# Altium PCB CM4-Tower.PcbDoc (part 4 of 10) (continued)
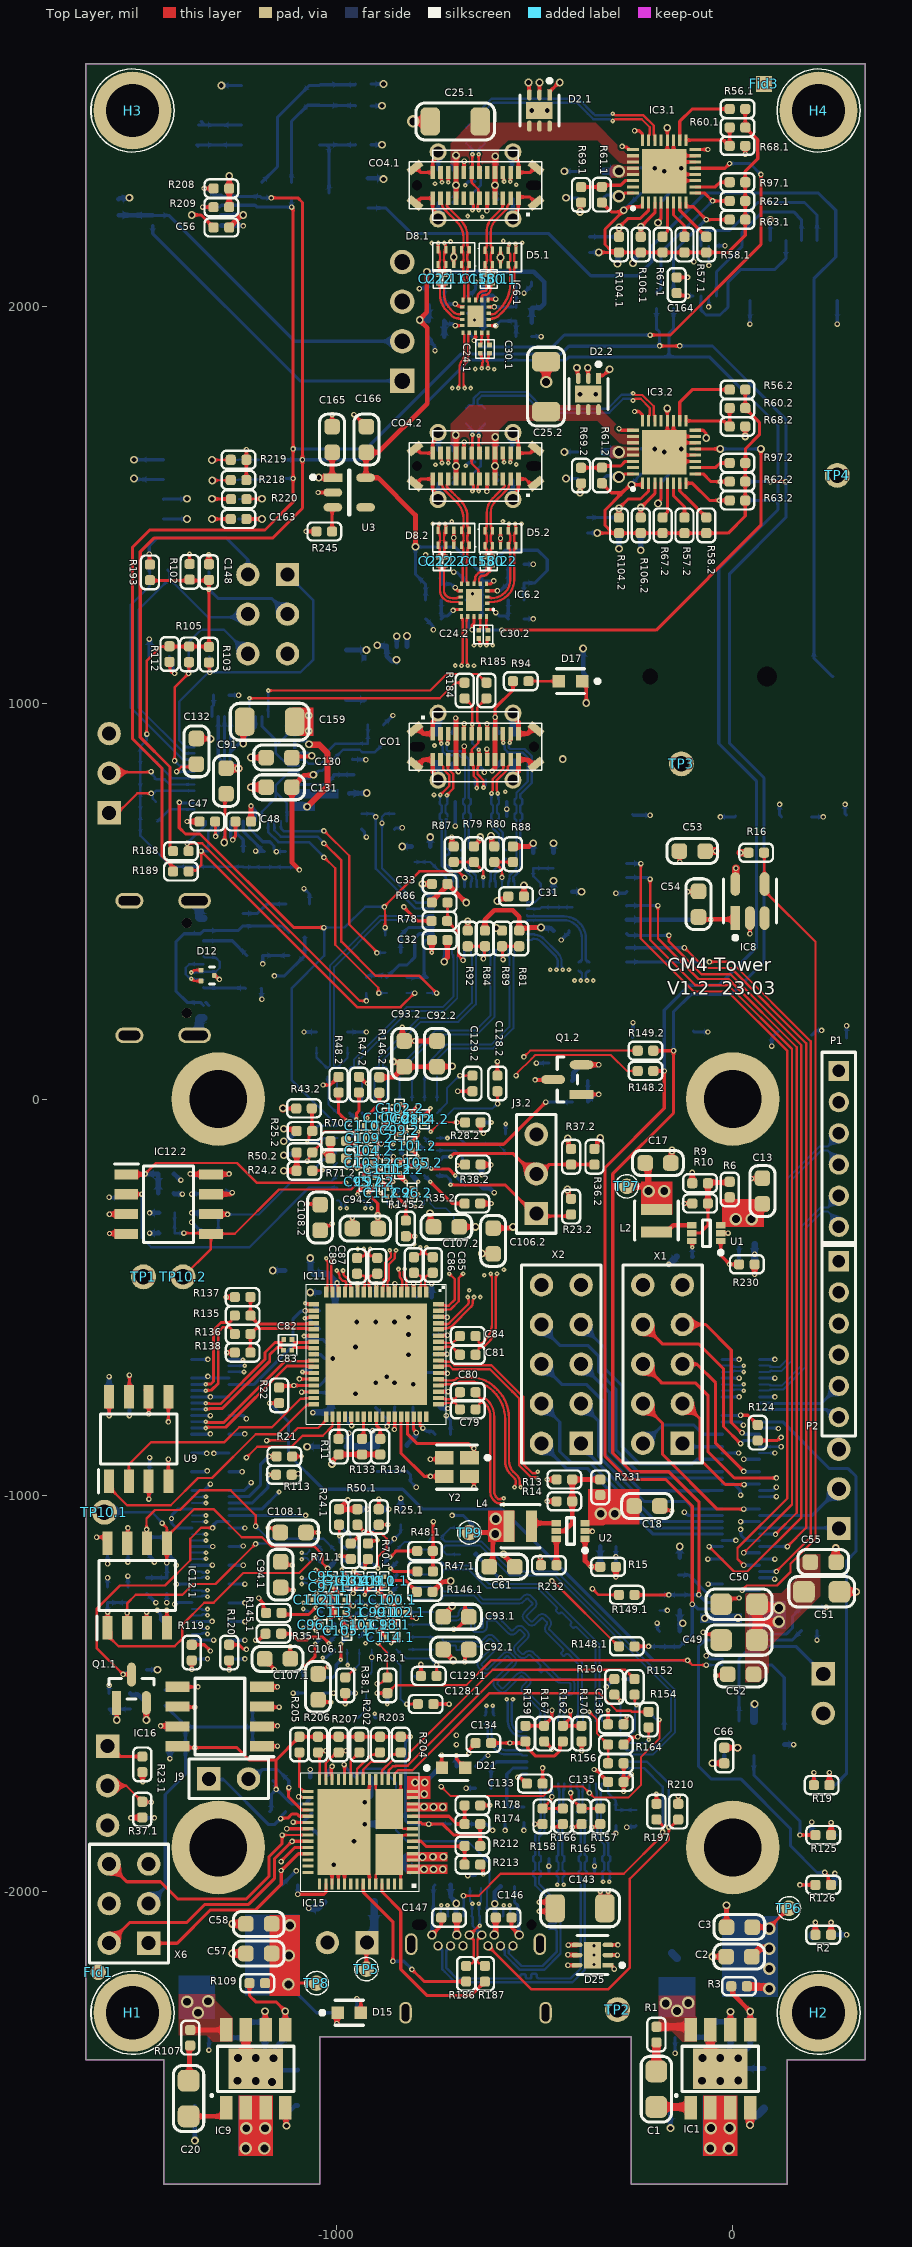
[diagram p0: Top Layer view]
## Nets (pads, with @x,y where several pads share a name; then routed paths per layer and width w, separated by ;. In a path a pad name is that pad's centre, name@x,y a point inside that pad or via, vN(x,y) a via of type N, cw(c..) or ccw(c..) an arc to the next point about the centre after c; other vN are vias at no path point) (continued)
DP1.2_P: C123.2.1 IC4.12 | length 458.9
  Bottom Layer w4.92: C123.2.1@-809.89,77.36 -813.01,80.48 -817.73,80.48 -820.62,83.37 -820.62,88.88 -746.31,163.19 -645.45,163.19 -601.28,207.36 -601.28,363.29 -598.43,366.14 IC4.12@-598.43,377.95
DP1_N: C122.1.1 IC14.13 | length 684.1
  Bottom Layer w4.92: C122.1.1@-735.84,-1295.46 -732.72,-1298.58 -732.72,-1303.3 -729.84,-1306.18 -704.72,-1306.18 -697.24,-1306.18 ccw(c-697.24,-1301.26) -692.32,-1301.26 -692.32,-1299.11 cw(c-678.15,-1299.11) -678.15,-1284.94 -665.75,-1284.94 cw(c-665.75,-1299.11) -651.57,-1299.11 -651.57,-1331.74 ccw(c-647.44,-1331.74) -647.44,-1335.88 -635.04,-1335.88 ccw(c-635.04,-1331.74) -630.91,-1331.74 -630.91,-1321.14 cw(c-615.94,-1321.14) -615.94,-1306.18 -595.39,-1306.18 -582.68,-1318.9 -566.33,-1335.24 -561.04,-1340.53 ccw(c-557.56,-1337.05) -554.08,-1340.53 -548.1,-1334.55 cw(c-538.08,-1344.57) -528.05,-1334.55 -519.28,-1343.32 cw(c-529.31,-1353.34) -517.81,-1361.63 -517.81,-1361.89 -541.71,-1385.79 ccw(c-538.79,-1388.71) -541.71,-1391.63 -532.94,-1400.4 ccw(c-530.02,-1397.48) -527.1,-1400.4 ; -527.07,-1400.38 -524.71,-1398.02 cw(c-514.13,-1408.6) -505.27,-1396.55 -505.03,-1396.55 -503.57,-1398 -489.03,-1412.55 -444.88,-1456.69 -440.97,-1460.61 -440.92,-1460.66 ccw(c-433.45,-1453.12) -433.45,-1463.73 -413.88,-1463.73 cw(c-413.88,-1477.9) -399.7,-1477.9 -399.7,-1490.31 cw(c-413.88,-1490.31) -413.88,-1504.48 -423.13,-1504.48 ccw(c-423.13,-1509.4) -428.05,-1509.4 -428.05,-1531.5 -428.05,-1556.2 -425.2,-1559.05 IC14.13@-425.2,-1570.87
DP1_P: C123.1.1 IC14.12 | length 685.4
  Bottom Layer w4.92: C123.1.1@-735.84,-1326.95 -732.72,-1323.83 -732.72,-1319.11 -729.84,-1316.22 -704.72,-1316.22 -697.24,-1316.22 ccw(c-697.24,-1301.26) -682.28,-1301.26 -682.28,-1299.11 cw(c-678.15,-1299.11) -678.15,-1294.98 -665.75,-1294.98 cw(c-665.75,-1299.11) -661.61,-1299.11 -661.61,-1331.74 ccw(c-647.44,-1331.74) -647.44,-1345.92 -635.04,-1345.92 ccw(c-635.04,-1331.74) -620.87,-1331.74 -620.87,-1321.14 cw(c-615.94,-1321.14) -615.94,-1316.22 -599.55,-1316.22 -582.68,-1333.1 -573.43,-1342.34 -568.14,-1347.63 ccw(c-557.56,-1337.05) -546.98,-1347.63 -541,-1341.65 cw(c-538.08,-1344.57) -535.15,-1341.65 -526.38,-1350.41 cw(c-529.31,-1353.34) -526.38,-1356.26 ; -526.4,-1356.28 -548.81,-1378.69 ccw(c-538.79,-1388.71) -548.79,-1398.75 -540.06,-1407.48 ccw(c-530.02,-1397.48) -521.72,-1408.97 -521.47,-1408.97 -517.61,-1405.12 cw(c-514.13,-1408.6) -510.64,-1405.14 -496.12,-1419.65 -494.38,-1421.39 -486.73,-1429.04 cw(c-490.21,-1432.52) -486.73,-1436 -490.07,-1439.34 ccw(c-488.54,-1440.88) -490.07,-1442.41 -485.48,-1447 ccw(c-483.94,-1445.47) -482.41,-1447 -479.07,-1443.66 cw(c-475.59,-1447.14) -472.11,-1443.66 -461.59,-1454.18 -459.85,-1455.92 -459.08,-1456.69 -448.03,-1467.74 ; IC14.12@-440.94,-1570.87 -440.94,-1559.05 -438.09,-1556.2 -438.09,-1531.5 -438.09,-1509.4 cw(c-423.13,-1509.4) -423.13,-1494.44 -413.88,-1494.44 ccw(c-413.88,-1490.31) -409.74,-1490.31 -409.74,-1477.9 ccw(c-413.88,-1477.9) -413.88,-1473.77 -433.45,-1473.77 cw(c-433.45,-1453.12) -448,-1467.77 ; -448.03,-1467.74 -448,-1467.77
DP2.2_N: C120.2.1 IC4.16 | length 461.8
  Bottom Layer w4.92: C120.2.1@-904.38,77.36 -901.25,80.48 -896.53,80.48 -893.65,83.37 -893.65,102.64 -791.56,204.72 -696.85,204.72 -658.56,243.01 -658.56,363.29 -661.42,366.14 IC4.16@-661.42,377.95
DP2.2_P: C121.2.1 IC4.15 | length 461.8
  Bottom Layer w4.92: C121.2.1@-872.88,77.36 -876,80.48 -880.73,80.48 -883.61,83.37 -883.61,98.48 -787.4,194.68 -692.69,194.68 -648.52,238.85 -648.52,363.29 -645.67,366.14 IC4.15@-645.67,377.95
DP2_N: C120.1.1 IC14.16 | length 684.5
  Bottom Layer w4.92: C120.1.1@-735.84,-1232.46 -732.72,-1235.58 -732.72,-1240.31 -729.84,-1243.19 -650.51,-1243.19 -629.6,-1264.1 -547.57,-1264.1 -542.04,-1264.1 ; -542.03,-1264.1 ccw(c-542.01,-1253.5) -534.51,-1261 -528.87,-1255.35 cw(c-518.84,-1265.38) -508.82,-1255.35 -500.05,-1264.12 cw(c-510.07,-1274.14) -498.58,-1282.44 -498.58,-1282.7 -519.34,-1303.45 ccw(c-516.41,-1306.37) -519.34,-1309.3 -510.57,-1318.07 ccw(c-507.64,-1315.14) -504.72,-1318.07 -491.42,-1304.77 cw(c-481.4,-1314.79) -471.38,-1304.77 -462.61,-1313.54 cw(c-472.63,-1323.56) -462.61,-1333.58 ccw(c-459.13,-1337.06) -462.62,-1340.53 -444.85,-1358.3 -380.81,-1422.34 -380.81,-1556.2 -377.95,-1559.05 IC14.16@-377.95,-1570.87
DP2_P: C121.1.1 IC14.15 | length 685.8
  Bottom Layer w4.92: C121.1.1@-735.84,-1263.96 -732.72,-1260.84 -732.72,-1256.11 -729.84,-1253.23 -654.67,-1253.23 -633.76,-1274.14 -557.61,-1274.14 -542.05,-1274.14 ccw(c-542.01,-1253.5) -527.41,-1268.1 -521.77,-1262.45 cw(c-518.84,-1265.38) -515.92,-1262.45 -507.15,-1271.22 cw(c-510.07,-1274.14) -507.15,-1277.07 ; -507.17,-1277.09 -526.43,-1296.35 ccw(c-516.41,-1306.37) -526.42,-1316.41 -517.68,-1325.15 ccw(c-507.64,-1315.14) -497.62,-1325.16 -484.32,-1311.87 cw(c-481.4,-1314.79) -478.48,-1311.87 -469.71,-1320.64 cw(c-472.63,-1323.56) -469.71,-1326.48 ; -469.71,-1326.48 ccw(c-459.13,-1337.06) -469.68,-1347.66 -451.95,-1365.4 -438.9,-1378.45 -437.16,-1380.19 -429.5,-1387.85 cw(c-432.98,-1391.33) -429.5,-1394.81 -432.84,-1398.15 ccw(c-431.31,-1399.68) -432.84,-1401.21 -428.25,-1405.8 ccw(c-426.72,-1404.27) -425.19,-1405.8 ; -425.19,-1405.8 -421.85,-1402.46 cw(c-418.37,-1405.94) -414.89,-1402.46 -400.57,-1416.78 -398.83,-1418.52 -390.85,-1426.5 -390.85,-1556.2 -393.7,-1559.05 IC14.15@-393.7,-1570.87
DP3.2_N: C118.2.1 IC4.19 | length 466.4
  Bottom Layer w4.92: C118.2.1@-967.37,77.36 -964.25,80.48 -959.52,80.48 -956.64,83.37 -956.64,99.31 -823.67,232.28 -732.28,232.28 -705.81,258.76 -705.81,363.29 -708.66,366.14 IC4.19@-708.66,377.95
DP3.2_P: C119.2.1 IC4.18 | length 466.4
  Bottom Layer w4.92: C119.2.1@-935.87,77.36 -938.99,80.48 -943.72,80.48 -946.6,83.37 -946.6,95.15 -819.51,222.24 -728.13,222.24 -695.77,254.6 -695.77,363.29 -692.91,366.14 IC4.18@-692.91,377.95
DP3_N: C118.1.1 IC14.19 | length 681.5
  Bottom Layer w4.92: C118.1.1@-735.84,-1169.47 -727.1,-1178.21 -662.03,-1178.21 -615.33,-1224.91 -488.7,-1224.91 -337.13,-1376.47 -337.13,-1538.41 -335.95,-1539.59 -335.95,-1553.81 -332.19,-1557.58 -330.71,-1559.05 IC14.19@-330.71,-1570.87
DP3_P: C119.1.1 IC14.18 | length 687.1
  Bottom Layer w4.92: C119.1.1@-735.84,-1200.97 -732.72,-1197.85 -732.72,-1191.13 -729.84,-1188.25 -666.19,-1188.25 -619.49,-1234.95 -492.85,-1234.95 -456.43,-1271.37 -454.69,-1273.11 -445.65,-1282.15 cw(c-449.12,-1285.63) -445.65,-1289.11 -445.92,-1289.39 ccw(c-444.11,-1291.2) -445.92,-1293.01 -440.49,-1298.44 ccw(c-438.69,-1296.63) -436.88,-1298.44 -436.6,-1298.16 cw(c-433.12,-1301.64) -429.64,-1298.16 -421.75,-1306.05 -420.01,-1307.79 -418.27,-1309.53 -409.22,-1318.58 cw(c-412.7,-1322.06) -409.22,-1325.53 -409.5,-1325.81 ccw(c-407.69,-1327.62) -409.5,-1329.43 -404.07,-1334.86 ccw(c-402.26,-1333.05) -400.46,-1334.86 -400.18,-1334.58 cw(c-396.7,-1338.06) -393.22,-1334.58 -389.26,-1338.54 -387.52,-1340.28 -347.17,-1380.63 -347.17,-1542.57 -345.99,-1543.75 -345.99,-1570.4 IC14.18@-346.46,-1570.87
DP_ADCIN1: IC13.6 R194.2 R195.1 | length 256.8
  Bottom Layer w6.1: IC13.6@-1096.46,857.28 -1095.57,856.4 -1080.81,856.4 -1070.87,846.46 -1039.37,846.46 -1029.63,856.2 -1029.63,871.03 -1003.01,897.64 R194.2@-921.26,897.64 R195.1@-921.26,944.88
DP_ADCIN2: IC13.10 R96.2 R100.1 | length 148.3
  Bottom Layer w7.87: IC13.10@-1096.46,794.29 -1028.54,794.29 R96.2@-1007.87,814.96 ; R96.2@-1007.87,818.9 R100.1@-956.69,818.9
DP_CAD_SNK: IC4.29 R83.2 R91.1 | length 118.7
  Bottom Layer w5.91: R83.2@-803.15,598.43 R91.1@-763.78,598.43 -724.41,559.05 IC4.29@-724.41,535.43
DP_CC1: C48.1 CO1.5 IC13.24 | length 830.4
  Top Layer w7.87: v1(-1262.61,654.55) -1262.61,656.15 -1255.65,663.1 -1255.65,700.54 C48.1@-1255.91,700.79 ; CO1.5@-679.13,922.44 -678.64,922.93 -678.64,947.36 v1(-678.15,947.85)
  Layer 6 w6.1: v1(-1262.61,654.55) -1262.54,654.49 -1085.67,654.49 -828.74,911.42 -714.58,911.42 v1(-678.15,947.85)
  Bottom Layer w7.87: IC13.24@-1267.72,701.77 -1267.72,660.95 -1262.61,655.84 v1(-1262.61,654.55)
DP_CC2: C47.1 CO1.25 IC13.26 | length 959.6
  Top Layer w6.1: C47.1@-1307.09,700.79 -1306.59,700.3 -1306.59,663.49 v1(-1306.1,663)
  Top Layer w7.87: v1(-621.06,883.49) -620.57,883 -620.57,857.58 CO1.25@-620.08,857.09
  Layer 6 w6.1: v1(-1306.1,663) -1306.43,662.68 -1306.43,643.56 -1272.02,609.15 -1055.97,609.15 -1039.04,626.08 -932.97,626.08 -889.76,669.29 -800.91,669.29 -669.47,800.73 -669.47,835.08 v1(-621.06,883.49)
  Bottom Layer w6.1: v1(-1306.1,663) -1306.1,664.41 -1299.21,671.3 IC13.26@-1299.21,701.77
DP_CTL0(USB3): IC13.18 R74.1 | length 615.4
  Top Layer w6.1: v1(-1032.48,610.24) -1031.5,610.24 -1003.94,582.68 -1003.94,389.76 -895.17,281 -895.17,269.19 v1(-893.7,267.72)
  Bottom Layer w6.1: IC13.18@-1173.23,701.77 -1173.23,674.72 -1147.23,648.72 -1069.98,648.72 -1032.48,611.22 v1(-1032.48,610.24) ; v1(-893.7,267.72) R74.1@-874.02,267.72
DP_CTL0/SDA: IC4.22 R74.2 R75.2 | length 246.7
  Bottom Layer w7.87: R75.2@-925.2,307.09 -920.31,311.98 -878.91,311.98 R74.2@-874.02,307.09 -842.52,338.58 -822.83,338.58 -803.15,358.27 -803.15,405.51 -791.34,417.32 IC4.22@-755.91,417.32
DP_CTL1(DP): IC13.16 R76.1 | length 515.2
  Top Layer w6.1: v1(-1032.48,677.17) -1031.5,677.17 -968.5,614.17 -968.5,440.94 -898.58,371.02 v1(-898.58,369.09)
  Bottom Layer w6.1: IC13.16@-1141.73,701.77 -1140.85,700.89 -1140.85,683.47 -1134.05,676.67 -1032.97,676.67 v1(-1032.48,677.17) ; v1(-898.58,369.09) -898.09,369.59 -878.44,369.59 R76.1@-877.95,370.08
DP_CTL1/HPDIN: IC4.23 R76.2 R77.2 | length 134.1
  Bottom Layer w7.87: R76.2@-838.58,370.08 R77.2@-838.58,413.39 -818.9,433.07 IC4.23@-755.91,433.07
DP_D_N: CO1.7 CO1.27 D6.2 IC11.68 R185.2 | length 1727.6
  Top Layer w5.91: IC11.68@-742.92,-518.57 -740.36,-521.13 -724.49,-521.13 -724.1,-521.53 -717.04,-521.53 -701.77,-506.26 -701.77,-455.17 -716,-440.94 v2(-716.14,-440.94) ; v2(-646.27,785.38) -645.14,786.51 -645.14,807.01 -654.53,816.4 -654.53,841.34 -659.45,846.26 CO1.27@-659.45,857.09 -659.04,857.5 -659.04,882.68 -642.72,899 -642.72,919.49 CO1.7@-639.76,922.44 -639.76,948.82 -645.67,954.72 -645.67,988.19 R185.2@-622.05,1011.81
  Layer 3 w3.94: v2(-716.14,-440.94) -714.64,-439.44 -706.96,-439.44 -700.79,-433.27 -700.79,-319.86 -676.18,-295.25 -676.18,181.41 -559.73,297.86 -559.73,666.71 -641.75,748.72 -641.75,780.85 v2(-646.27,785.38)
  Bottom Layer w5.91: D6.2@-651.57,806.1 -650.63,805.16 -650.63,791.34 -646.27,786.98 v2(-646.27,785.38)
DP_D_P: CO1.6 CO1.26 D6.1 IC11.67 R184.2 | length 1759.3
  Top Layer w5.91: IC11.67@-742.92,-534.32 -740.36,-531.76 -724.49,-531.76 -724.1,-531.37 -712.96,-531.37 -691.93,-510.34 -691.93,-451.77 v2(-681.1,-440.94) ; R184.2@-677.17,1011.81 -658.09,992.73 v2(-658.09,945.9) ; CO1.6@-659.45,922.44 -656.97,924.92 v2@-656.97,945.9 ; v2(-641.73,881.89) -640.75,880.91 -640.75,858.07 CO1.26@-639.76,857.09 -639.76,846.26 -644.68,841.34 -644.68,820.47 -629.35,805.14 v2(-629.35,786.55)
  Layer 3 w3.94: v2(-681.1,-440.94) -682.61,-439.44 -686.74,-439.44 -692.91,-433.27 -692.91,-323.12 -668.31,-298.52 -668.31,178.15 -554.16,292.29 -551.86,294.6 -551.86,669.97 -633.87,751.98 -633.87,782.03 v2(-629.35,786.55)
  Bottom Layer w5.91: v2(-658.09,945.9) -658.09,898.25 v2(-641.73,881.89) ; v2(-629.35,786.55) -629.35,787.41 -624.02,792.74 D6.1@-624.02,806.1
DP_DPQ0: IC4.14 R84.2 R92.1 | length 100.1
  Top Layer w5.91: R92.1@-669.29,385.83 R84.2@-625.98,385.83 -626.96,384.85 -626.96,359.42 -629.92,356.46 v1(-629.92,354.33)
  Bottom Layer w5.91: v1(-629.92,354.33) IC4.14@-629.92,377.95
DP_DPQ1: IC4.2 R85.2 R93.1 | length 171.3
  Bottom Layer w5.91: IC4.2@-519.68,496.06 -518.7,497.05 -499.45,497.05 -484.95,511.55 -484.95,544 -503.94,562.99 R93.1@-503.94,582.68 R85.2@-452.76,582.68
DP_EQ0: IC4.38 R80.2 R88.1 | length 110.6
  Top Layer w5.91: v1(-582.74,559.7) -582.68,559.76 -582.68,578.74 R80.2@-602.36,598.43 R88.1@-562.99,598.43
  Bottom Layer w5.91: IC4.38@-582.71,535.46 v1@-582.71,559.67
DP_EQ1: IC4.35 R79.2 R87.1 | length 116.1
  Top Layer w5.91: R87.1@-696.85,598.43 R79.2@-653.54,598.43 -630.26,575.14 v2(-630.26,559.89)
  Bottom Layer w5.91: v2(-630.26,559.89) -630.09,559.72 -630.09,535.6 IC4.35@-629.92,535.43
DP_FLIP: IC13.17 R72.1 | length 746.9
  Top Layer w6.1: v1(-1032.48,645.67) -1031.5,645.67 -988.19,602.36 -988.19,397.64 -901.57,311.02 -791.34,311.02 v1(-748.03,267.72)
  Bottom Layer w6.1: IC13.17@-1157.48,701.77 -1157.48,678.74 -1141.44,662.7 -1048.52,662.7 -1032.48,646.65 v1(-1032.48,645.67) ; R72.1@-771.65,267.72 v1(-748.03,267.72)
DP_FLIP/SCL: IC4.21 R72.2 R73.2 | length 169.9
  Bottom Layer w7.87: R73.2@-822.83,307.09 R72.2@-771.65,307.09 -778.99,314.43 -778.99,320.02 -779.53,320.56 -779.53,396.96 -774.92,401.57 IC4.21@-755.91,401.57
DP_HPD.1: IC2.1.G1 IC14.32 IC15.30 R34.1.2 R155.1 | length 2057.9
  Top Layer w4.92: v1(-1096.44,-1761.79) -1095.44,-1762.79 -1073.83,-1762.79 IC15.30@-1072.83,-1763.78 ; v1(-736.22,-1736.22) -712.6,-1759.84 -478.14,-1759.84 -454.51,-1736.22 -377.95,-1736.22 v1(-362.2,-1751.97) -350.39,-1763.78 -263.78,-1763.78 -232.28,-1732.28 -232.28,-1661.42 -185.04,-1614.17 v2(-185.04,-1566.93)
  Layer 3 w4.92: v1(-1096.44,-1761.79) -1039.37,-1704.72 -1039.37,-1685.04 -1019.54,-1665.21 -807.23,-1665.21 v1(-736.22,-1736.22)
  Layer 3 w6.1: v1(-854.33,-1110.24) -834.65,-1129.92 -834.65,-1446.09 -682.19,-1598.55 -682.19,-1682.18 v1(-736.22,-1736.22)
  Bottom Layer w4.92: v1(-362.2,-1751.97) IC14.32@-362.2,-1728.35 ; R155.1@-212.6,-1547.24 -194.23,-1565.61 -186.36,-1565.61 v2(-185.04,-1566.93)
  Bottom Layer w6.1: IC2.1.G1@-880.13,-1137.97 -880.13,-1137.01 -854.33,-1111.2 v1(-854.33,-1110.24) -838.58,-1094.49 R34.1.2@-838.58,-1074.8
DP_HPD.2: IC2.2.G1 IC4.32 IC13.30 R34.2.2 R77.1 | length 1736.8
  Top Layer w6.1: v1(-879.57,485.24) -879.43,485.1 -879.43,478.26 -879.57,478.12 -878.1,476.65 -878.1,465.1 -877.95,464.95 v1(-877.95,433.07) ; v1@-879.43,486.71 -791.34,574.8 -692.91,574.8 v1(-677.17,559.06)
  Top Layer w7.87: v1(-1397.42,748.9) -1397.64,748.69 -1397.64,685.04 -1381.89,669.29 -1345.18,669.29 -1108.96,433.07 v1(-1032.48,433.07)
  Bottom Layer w6.1: R34.2.2@-1061.86,-80.71 -1060.04,-80.71 -1046.26,-66.93 IC2.2.G1@-998.86,-66.93 -1114.17,48.38 -1114.17,279.53 -1031.5,362.2 v1@-1031.5,428.15 ; v1@-1030.02,430.61 v1(-1032.48,433.07) -1030.02,433.07 -980.32,433.07 -928.15,485.24 v1(-879.57,485.24) ; R77.1@-877.95,413.39 v1(-877.95,433.07)
  Bottom Layer w7.87: v1(-1397.42,748.9) -1395.82,748.9 -1393.97,747.05 IC13.30@-1360.24,747.05 ; IC4.32@-677.17,535.43 v1(-677.17,559.06)
DP_HRESET: IC13.44 R95.1 | length 55.8
  Bottom Layer w7.87: IC13.44@-1314.96,965.55 -1314.96,991.14 -1311.02,995.08 R95.1@-1311.02,1019.68
DP_I2C1_IRQ: IC13.29 R101.2 | length 105.2
  Bottom Layer w6.1: R101.2@-1452.76,700.79 -1422.24,731.3 IC13.29@-1360.24,731.3
DP_I2C1_SCL: IC13.27 R73.1 R144.2 R189.2 | length 910.2
  Top Layer w6.1: R189.2@-1374.02,574.8 -1371.39,577.43 -1355.64,577.43 -1342.52,590.55 v1(-1342.52,625.98) -948.72,232.18 -838.68,232.18 v1(-803.15,267.72)
  Bottom Layer w6.1: v1(-1342.52,625.98) R144.2@-1322.83,625.98 -1324.24,627.39 -1324.24,675.07 -1315.85,683.47 -1315.85,700.89 IC13.27@-1314.96,701.77 ; R73.1@-822.83,267.72 v1(-803.15,267.72)
DP_I2C1_SDA: IC13.28 R75.1 R98.2 R188.2 | length 756
  Top Layer w6.1: v1(-1377.95,645.67) -1376.48,644.2 -1376.48,628.45 R188.2@-1374.02,625.98 ; v1(-1377.95,645.67) -1339.82,645.69 -942.45,248.33 -941.54,248.33 -941.24,248.03 v1(-925.2,248.03)
  Bottom Layer w6.1: R98.2@-1374.02,625.98 -1376.48,628.45 -1376.48,644.2 v1(-1377.95,645.67) -1335.53,688.09 -1334.55,688.09 -1330.71,691.93 IC13.28@-1330.71,701.77 ; v1(-925.2,248.03) R75.1@-925.2,267.72
DP_I2C2_IRQ: IC13.34 R99.2 | length 124.3
  Bottom Layer w6.1: R99.2@-1464.57,858.27 -1416.34,810.04 IC13.34@-1360.24,810.04
DP_I2C2_SCL: IC13.32 J4.1 R179.2 | length 250.4
  Top Layer w6.1: J4.1@-1559.06,716.54 -1503.94,771.65 v1(-1468.5,771.65)
  Bottom Layer w6.1: R179.2@-1456.69,750.66 -1464.37,758.33 -1464.37,765.44 -1468.5,769.58 v1(-1468.5,771.65) -1463.1,771.65 -1456.21,778.54 IC13.32@-1360.24,778.54
DP_I2C2_SDA: IC13.33 J4.2 R198.2 | length 219.3
  Top Layer w6.1: J4.2@-1559.06,816.54 -1550.29,825.3 -1470.07,825.3 v1(-1468.6,826.77) v1@-1468.5,826.87
  Bottom Layer w6.1: v1(-1468.6,826.77) -1467.13,825.3 -1467.13,820.65 -1459.55,813.06 R198.2@-1459.55,808.4 ; R198.2@-1456.69,808.4 -1455.46,807.16 -1434.74,807.16 -1421.87,794.29 IC13.33@-1360.24,794.29
DP_I2C3_IRQ: IC13.23 R199.2 | length 83.3
  Bottom Layer w7.87: IC13.23@-1251.97,701.77 -1251.97,670.05 -1236.22,654.31 R199.2@-1236.22,625
DP_I2C3_SCL: IC13.21 R201.2 | length 138
  Bottom Layer w7.87: IC13.21@-1220.47,701.77 -1220.47,683.1 -1186.98,649.61 -1177.17,649.61 -1169.13,649.61 -1158.46,638.94 -1158.46,630.91 v1(-1152.56,625) R201.2@-1129.92,625
DP_I2C3_SDA: IC13.22 R200.2 | length 119.7
  Bottom Layer w7.87: IC13.22@-1236.22,701.77 -1236.22,676.58 -1193.5,633.86 -1193.26,633.86 R200.2@-1184.89,625.49 ; v1(-1204.72,625.98) -1204.23,625.49 R200.2@-1184.89,625.49 ; R200.2@-1183.07,625 -1183.56,625.49 R200.2@-1184.89,625.49
DP_I2C_EN: IC4.17 R78.2 R86.1 | length 183.3
  Top Layer w5.91: R86.1@-720.47,488.19 -720.47,448.82 -692.91,421.26 -692.91,362.16 v1(-681.12,350.37)
  Bottom Layer w5.91: v1(-681.12,350.37) -681.12,352.5 -678.15,355.48 -678.15,376.97 IC4.17@-677.17,377.95
DP_LDO_1V8: C132.1 IC13.35 | length 102.6
  Top Layer w6.1: v1(-1404.53,826.89) -1392.74,838.68 -1361.12,838.68 C132.1@-1354.33,845.47
  Bottom Layer w6.1: v1(-1404.53,826.89) -1403.91,826.28 -1360.73,826.28 IC13.35@-1360.24,825.79
DP_LDO_3V3: C131.1 C148.1 IC5.8 IC13.9 R96.1 R98.1 R99.1 R101.1 R102.1 R103.1 R105.1 R112.1 R144.1 R179.1 R193.1 R194.1 R198.1 R199.1 R200.1 R201.1 X5.3 | length 2186.3
  Top Layer w6.1: v1(-1479.33,921.28) -1480.29,922.24 -1480.29,1106.32 -1444.1,1142.51 R112.1@-1421.59,1142.51
  Top Layer w7.87: R193.1@-1472.44,1307.09 -1470.47,1309.06 -1324.8,1309.06 C148.1@-1322.83,1311.02 v1(-1322.83,1287.4) R103.1@-1322.83,1141.73 -1323.62,1142.51 -1372.8,1142.51 R112.1@-1421.59,1142.51
  Top Layer w11.81: v1(-1094.49,578.74) -1113.19,597.44 C131.1@-1113.19,787.4 -1083.2,817.39 -1060.56,817.39 v3(-1059.06,818.9)
  Bottom Layer w6.1: v1(-1479.33,921.28) -1480.29,920.32 -1480.29,905.53 -1496.06,889.76 R99.1@-1496.06,866.14 R198.1@-1496.06,808.4 R179.1@-1496.06,750.66 -1496.06,665.35 -1417.32,586.61 R98.1@-1374.02,586.61 R144.1@-1322.83,586.61 R199.1@-1236.22,586.61 ; R199.1@-1236.22,585.63 R200.1@-1183.07,585.63 -1103.46,585.63 -1096.57,578.74 v1(-1094.49,578.74) ; IC13.9@-1096.46,810.04 -1067.65,810.04 -1059.06,818.64 v3(-1059.06,818.9) ; v3@-1058.79,818.9 -1055.38,818.9 -1045.7,828.58 -1037.56,828.58 R96.1@-1007.87,858.27 -984.25,881.89 -941.95,881.89 -935.95,875.89 -903.64,875.89 R194.1@-881.89,897.64
  Bottom Layer w7.87: IC5.8@-1322.64,1331.18 -1322.83,1330.98 v1(-1322.83,1287.4) -1299.21,1263.78 -1163.78,1263.78 X5.3@-1124.41,1224.41
DP_RX1_N: CO1.30 D7.4 D7.7 IC4.31 | length 360.4
  Top Layer w5.91: v2(-721.74,766.69) -721.74,768.29 -705.71,784.32 -705.71,821.02 -719.65,834.96 -719.65,855.94 CO1.30@-718.5,857.09
  Bottom Layer w5.91: -725.17,706.61 -722.51,706.61 -725.39,703.73 -725.39,648.78 -725.39,636.81 ccw(c-719.49,636.81) -719.49,630.91 ; v2(-721.74,766.69) -721.11,766.06 D7.7@-721.11,750.98 ; D7.4@-720.47,713.58 -720.47,719 -721.46,719.98 -721.93,719.98 -725.39,723.44 -725.39,735.87 -725.39,741.13 -721.93,744.59 -721.46,744.59 -720.47,745.57 D7.7@-720.47,750.98 ; -719.49,617.13 ccw(c-719.49,611.22) -725.39,611.22 -725.39,594.49 -725.39,593.84 -695.87,564.31 -695.87,554.85 -693.9,552.88 -693.9,536.42 IC4.31@-692.91,535.43 ; -719.49,617.13 ccw(c-719.49,620.57) -716.04,620.57 -716.04,627.46 ccw(c-719.49,627.46) -719.49,630.91
DP_RX1_P: CO1.31 D7.5 D7.6 IC4.30 | length 357.7
  Top Layer w5.91: v2(-738.66,767.86) -715.55,790.98 -715.55,816.94 -731.3,832.69 -731.3,839.37 -738.19,846.26 CO1.31@-738.19,857.09
  Bottom Layer w5.91: D7.6@-740.16,750.98 -740.16,745.57 -739.17,744.59 -738.7,744.59 -735.24,741.13 -735.24,731.79 -735.24,723.44 -738.7,719.98 -739.17,719.98 -740.16,719 D7.5@-740.16,713.58 -740.16,708.17 -739.17,707.19 -738.7,707.19 -735.24,703.73 -735.24,589.77 -705.71,560.24 -705.71,550.2 -708.66,547.24 IC4.30@-708.66,535.43 ; D7.6@-739.41,754.61 -739.41,767.12 v2(-738.66,767.86)
DP_RX2_N: CO1.10 D9.2 D9.9 IC4.39 | length 464.2
  Top Layer w5.91: CO1.10@-580.71,922.44 -580,921.73 -580,900.11 v2(-579.29,899.4)
  Bottom Layer w5.91: v2(-579.29,899.4) -578.16,898.27 -578.16,893.14 -575.44,890.42 -575.44,883.24 -566.22,874.02 -544.84,874.02 -529.67,874.02 -517.72,862.06 -517.72,802.15 -546.26,773.61 -546.26,760.84 -549.72,757.38 -550.2,757.38 -551.18,756.4 D9.9@-551.18,750.98 -551.18,745.57 -550.2,744.59 -549.72,744.59 -546.26,741.13 -546.26,728.7 -546.26,723.44 -549.72,719.98 -550.2,719.98 -551.18,719 D9.2@-551.18,713.58 -551.18,708.17 -550.2,707.19 -549.72,707.19 -546.26,703.73 -546.26,581.83 -551.59,576.5 -563.98,564.12 -563.98,550.2 -566.93,547.24 IC4.39@-566.93,535.43
DP_RX2_P: CO1.11 D9.1 D9.10 IC4.40 | length 463.9
  Top Layer w5.91: v2(-563.54,899.4) -562.41,900.53 -562.41,921.05 CO1.11@-561.02,922.44
  Bottom Layer w5.91: v2(-563.54,899.4) -564.67,898.27 -564.67,893.14 -565.6,892.21 -565.6,887.32 -562.14,883.86 -548.92,883.86 -525.59,883.86 -507.87,866.14 -507.87,798.08 -536.42,769.53 -536.42,760.84 -532.96,757.38 -532.48,757.38 -531.5,756.4 D9.10@-531.5,750.98 -531.5,745.57 -532.48,744.59 -532.96,744.59 -536.42,741.13 -536.42,732.78 -536.42,723.44 -532.96,719.98 -532.48,719.98 -531.5,719 D9.1@-531.5,713.58 -531.5,708.17 -532.48,707.19 -532.96,707.19 -536.42,703.73 -536.42,577.76 -547.51,566.66 -554.13,560.04 -554.13,550.2 -551.18,547.24 IC4.40@-551.18,535.43
DP_SBU1: CO1.8 IC4.27 R44.1 | length 752.1
  Top Layer w7.87: v1(-620.69,947.57) -620.39,947.27 -620.39,922.75 CO1.8@-620.08,922.44
  Layer 6 w6.1: v1(-885.83,696.85) -885.83,720.47 -769.68,836.61 -708.82,836.61 -620.69,924.74 v1(-620.69,947.57)
  Bottom Layer w5.91: R44.1@-854.33,720.47 -877.95,720.47 -885.83,712.6 v1(-885.83,696.85) -885.83,582.68 -799.21,496.06 IC4.27@-755.91,496.06
DP_SBU2: CO1.28 IC4.26 R192.1 | length 700.3
  Top Layer w7.87: CO1.28@-679.13,857.09 -678.64,857.58 -678.64,890.45 v1(-678.15,890.94)
  Layer 6 w6.1: v1(-901.67,712.6) -901.67,732.18 -779.53,854.33 -736.22,854.33 -699.61,890.94 v1(-678.15,890.94)
  Bottom Layer w5.91: R192.1@-937.01,720.47 -909.55,720.47 v1(-901.67,712.6) -901.67,581.82 -801.15,481.3 -756.89,481.3 IC4.26@-755.91,480.31
DP_SPI_CLK: IC5.6 IC13.38 X5.4 | length 810.9
  Bottom Layer w6.1: IC5.6@-1427.17,1336.03 IC5.6@-1422.17,1331.03 IC5.6@-1422.17,1313.81 ; IC13.38@-1360.24,873.03 -1384.84,873.03 -1500,988.19 -1500,1235.98 IC5.6@-1422.17,1313.81 ; X5.4@-1224.41,1224.41 -1232.28,1216.54 -1324.9,1216.54 IC5.6@-1422.17,1313.81
DP_SPI_CLK.1: IC2.1.C1 IC12.1.6 R40.1.2 R41.1.1 | length 715.7
  Top Layer w5.91: v1(-1480.32,-1086.61) -1480.32,-1059.06 -1458.7,-1037.44 -1395.71,-1037.44 -1346.46,-988.19 -1267.72,-988.19 -1204.72,-1051.18 v1(-1204.72,-1078.74)
  Top Layer w7.87: v1(-1480.32,-1086.61) -1480.32,-1120.2 IC12.1.6@-1478.94,-1121.57
  Bottom Layer w5.91: v1(-1204.72,-1078.74) -1173.23,-1110.24 -1033.86,-1110.24 IC2.1.C1@-1006.12,-1137.97
  Bottom Layer w7.87: v1(-1480.32,-1086.61) R40.1.2@-1480.32,-1106.3 R41.1.1@-1429.13,-1106.3
DP_SPI_CLK.2: IC2.2.C1 IC12.2.6 R40.2.2 R41.2.1 | length 430.3
  Top Layer w11.81: IC12.2.6@-1317.82,-290.29 -1317.15,-290.96 -1275.97,-290.96 v1(-1275.59,-291.34)
  Bottom Layer w5.91: R41.2.1@-1299.08,-338.71 R40.2.2@-1299.08,-291.47 -1299.02,-291.4 v1@-1275.66,-291.4 ; v1(-1275.59,-291.34) v1@-1275.66,-291.4 ; IC2.2.C1@-999.36,-193.41 -1014.61,-208.66 -1114.17,-208.66 -1196.92,-291.4 -1255.91,-291.4 v1@-1275.66,-291.4
DP_SPI_CS: IC5.1 IC13.39 R103.2 X5.1 | length 832.5
  Top Layer w6.1: R103.2@-1322.83,1102.36 -1321.84,1101.37 -1321.84,1078.64 v1(-1320.84,1077.64)
  Bottom Layer w6.1: IC13.39@-1360.24,888.78 -1380.91,888.78 -1397.64,905.51 -1397.64,1003.79 -1351.58,1049.84 -1327.56,1073.87 -1326.69,1073.87 -1322.92,1077.64 v1(-1320.84,1077.64) ; IC5.1@-1322.17,1117.49 -1320.84,1116.16 v1(-1320.84,1077.64) ; X5.1@-1124.41,1324.41 -1059.06,1259.06 -1059.06,1110.24 -1091.65,1077.64 v1(-1320.84,1077.64)
DP_SPI_CS.1: IC2.1.B2 IC12.1.1 R51.1.2 R52.1.1 | length 810.8
  Top Layer w5.91: IC12.1.1@-1578.94,-1335.12 -1569.09,-1344.96 -1569.09,-1363.98 -1551.18,-1381.89 -1409.45,-1381.89 -1389.76,-1362.2 -1389.76,-1326.77 -1334.65,-1271.65 -1311.02,-1271.65 -1236.22,-1196.85 -1094.49,-1196.85 -1058.38,-1160.74 -1058.38,-1158.94 -1055.12,-1155.67 v1(-1055.12,-1153.54)
  Top Layer w7.87: IC12.1.1@-1578.94,-1335.12 -1578.74,-1334.92 v1(-1578.74,-1295.28)
  Bottom Layer w7.87: v1(-1578.74,-1295.28) R52.1.1@-1578.74,-1271.65 R51.1.2@-1527.56,-1271.65
  Bottom Layer w11.81: v1(-1055.12,-1153.54) -1054.74,-1153.92 -1053.17,-1153.92 IC2.1.B2@-1037.62,-1169.47
DP_SPI_CS.2: IC2.2.B2 IC12.2.1 R51.2.2 R52.2.1 | length 686.5
  Top Layer w5.91: v1@-1484.19,-189.04 v1(-1484.12,-189.11) -1456.43,-161.42 -1251.97,-161.42 -1202.47,-210.91 -977.02,-210.91 v2(-976.45,-211.48)
  Top Layer w11.81: IC12.2.1@-1531.36,-190.29 v1@-1484.12,-190.29
  Bottom Layer w7.87: v2(-976.45,-211.48) -975.7,-212.23 -975.7,-213.41 -967.37,-221.75 IC2.2.B2@-967.37,-222.81
  Bottom Layer w11.81: v1(-1484.12,-189.11) R52.2.1@-1450.66,-189.11 R51.2.2@-1450.66,-238.19 ; IC2.2.B2@-967.37,-224.41 IC2.2.B2@-967.37,-222.81
DP_SPI_DI.1: IC2.1.B1 IC12.1.2 | length 624.3
  Top Layer w5.91: IC12.1.2@-1528.94,-1335.12 -1529.34,-1334.72 -1529.34,-1298.05 -1528.94,-1297.65 v1(-1529.34,-1297.24) -1529.34,-1273.43 -1507.66,-1251.75 -1389.55,-1251.75 -1362.2,-1224.41 -1306.12,-1224.41 v1(-1204.72,-1123.01)
  Bottom Layer w5.91: v1(-1529.34,-1297.24) v1@-1528.45,-1298.13 ; v1(-1204.72,-1123.01) -1203.94,-1122.23 -1053.36,-1122.23 IC2.1.B1@-1037.62,-1137.97
DP_SPI_DI.2: IC2.2.B1 IC12.2.2 | length 715.1
  Top Layer w7.87: IC12.2.2@-1531.36,-240.29 -1531.23,-240.16 v1(-1492.13,-240.16)
  Bottom Layer w5.91: v1@-1492.13,-240.41 -1492.13,-350.39 -1468.5,-374.02 -1220.47,-374.02 -1069.88,-223.43 -999.85,-223.43 IC2.2.B1@-998.86,-224.41